# Altium PCB radxa_cm3s_io_board_V1510.PcbDoc (part 1 of 4)
Units mil, origin at the board's own origin, x right, y up, seen from the top; angles counter-clockwise.
Board outline 6299.61 x 3544.09 mil, 4 copper layers (Top, GND, Power, Bottom), stack 35.4 mil thick; 371 components, 243 nets, 1310 pads, 2024 vias.
Unrouted connection lines stored in the file: 1349.
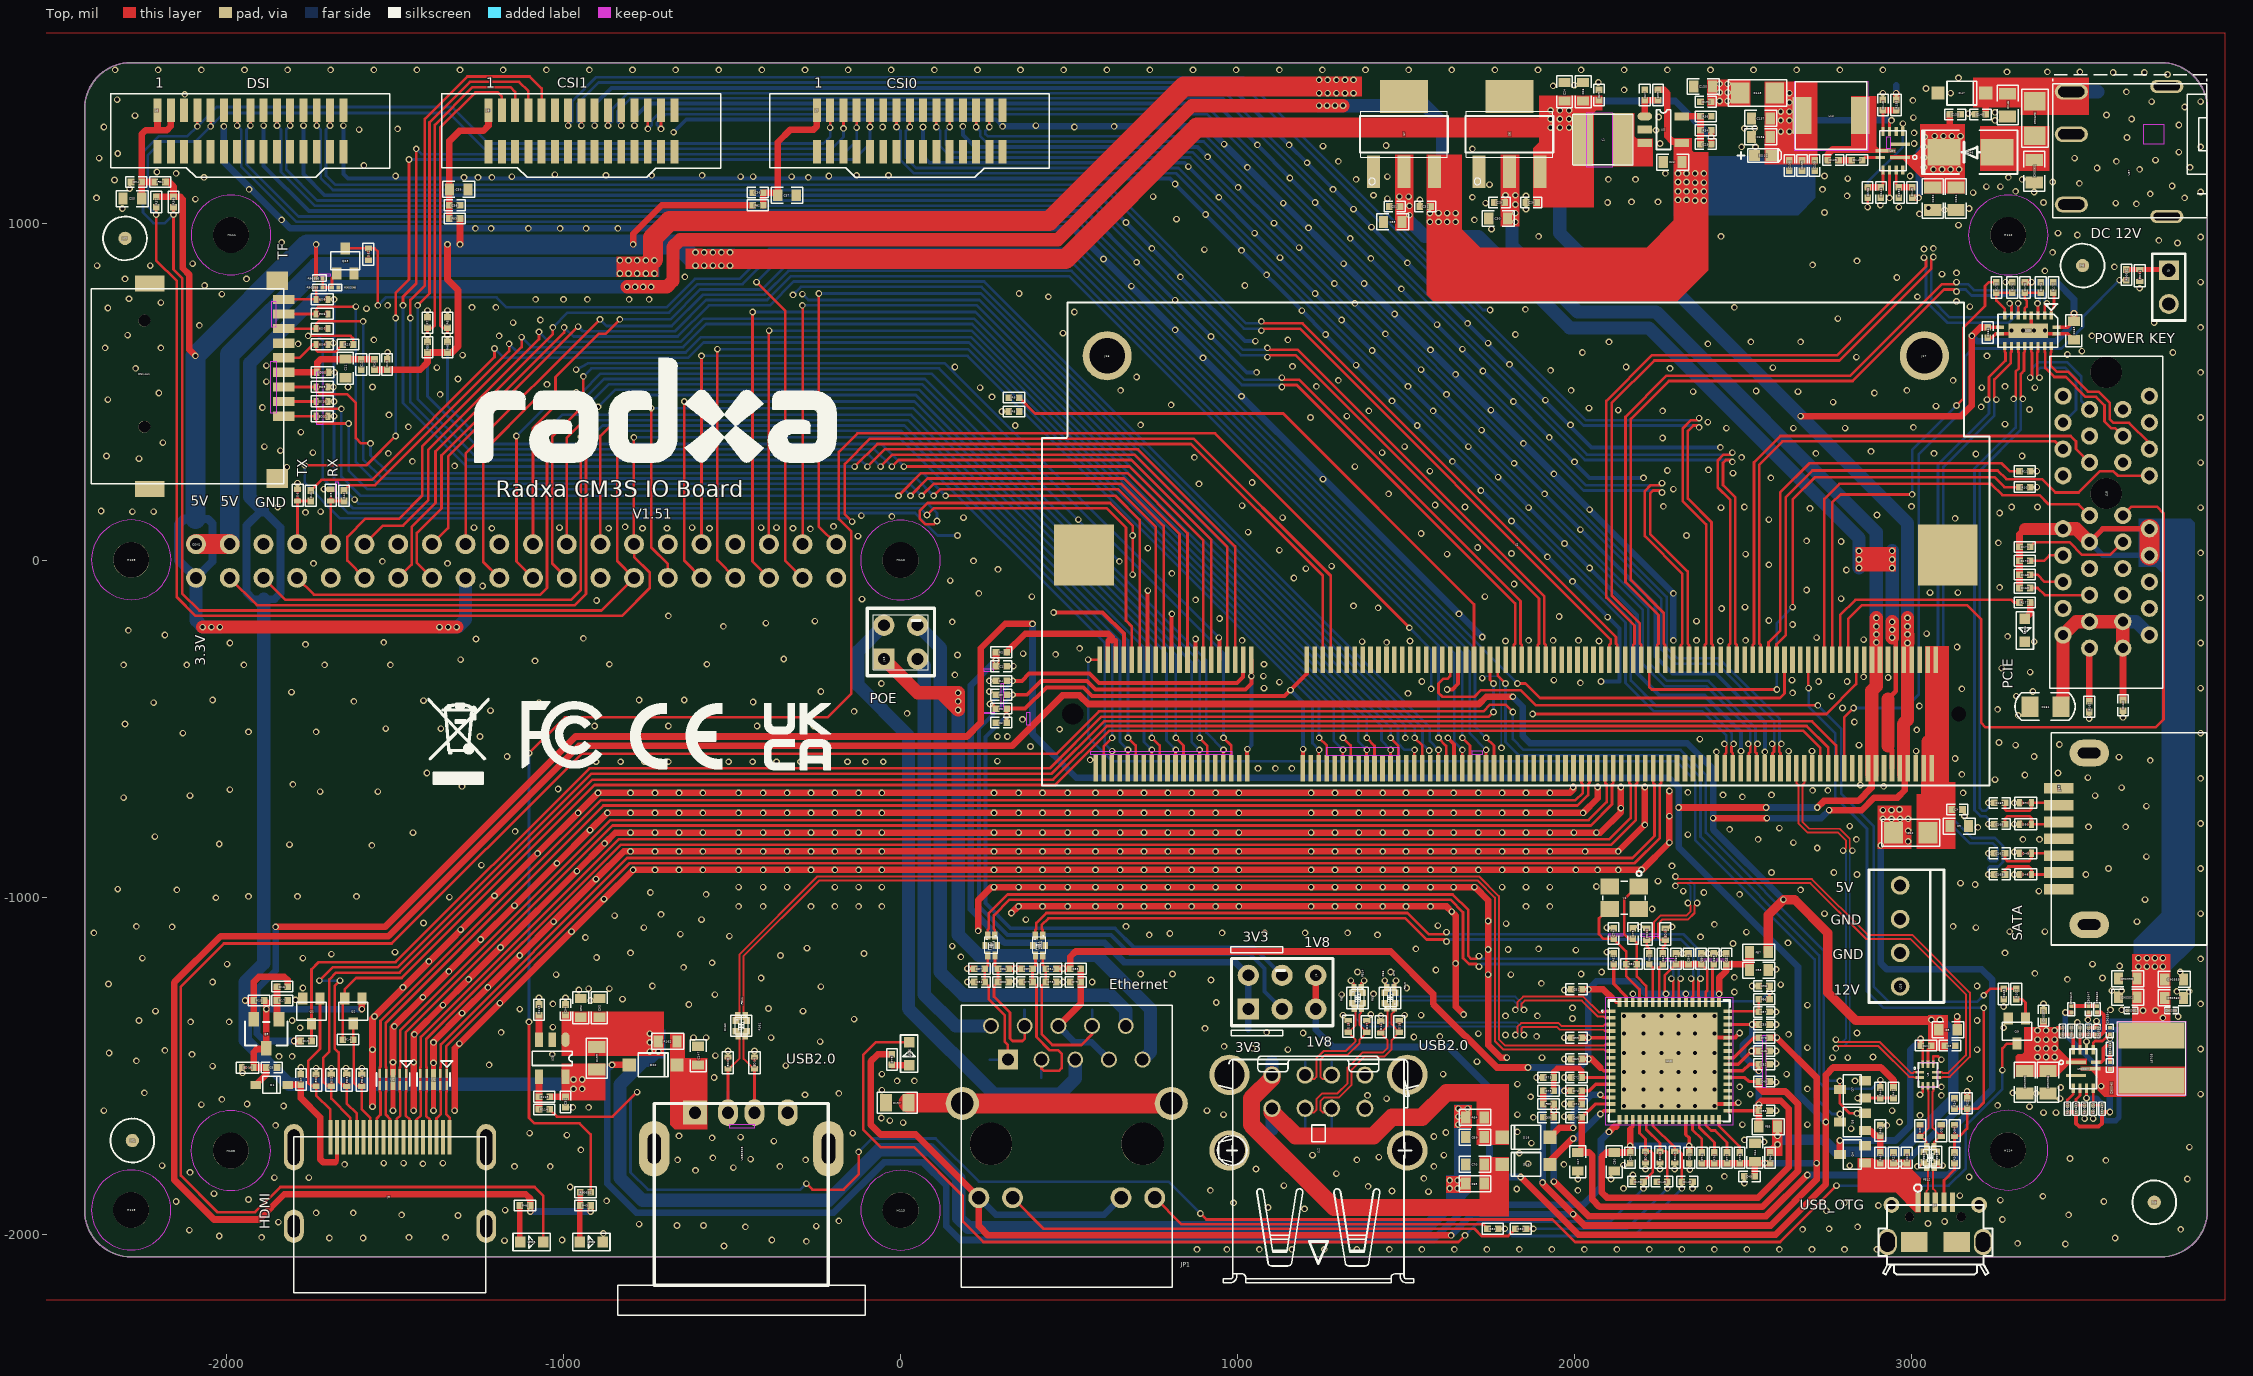
[diagram p0: Top view]
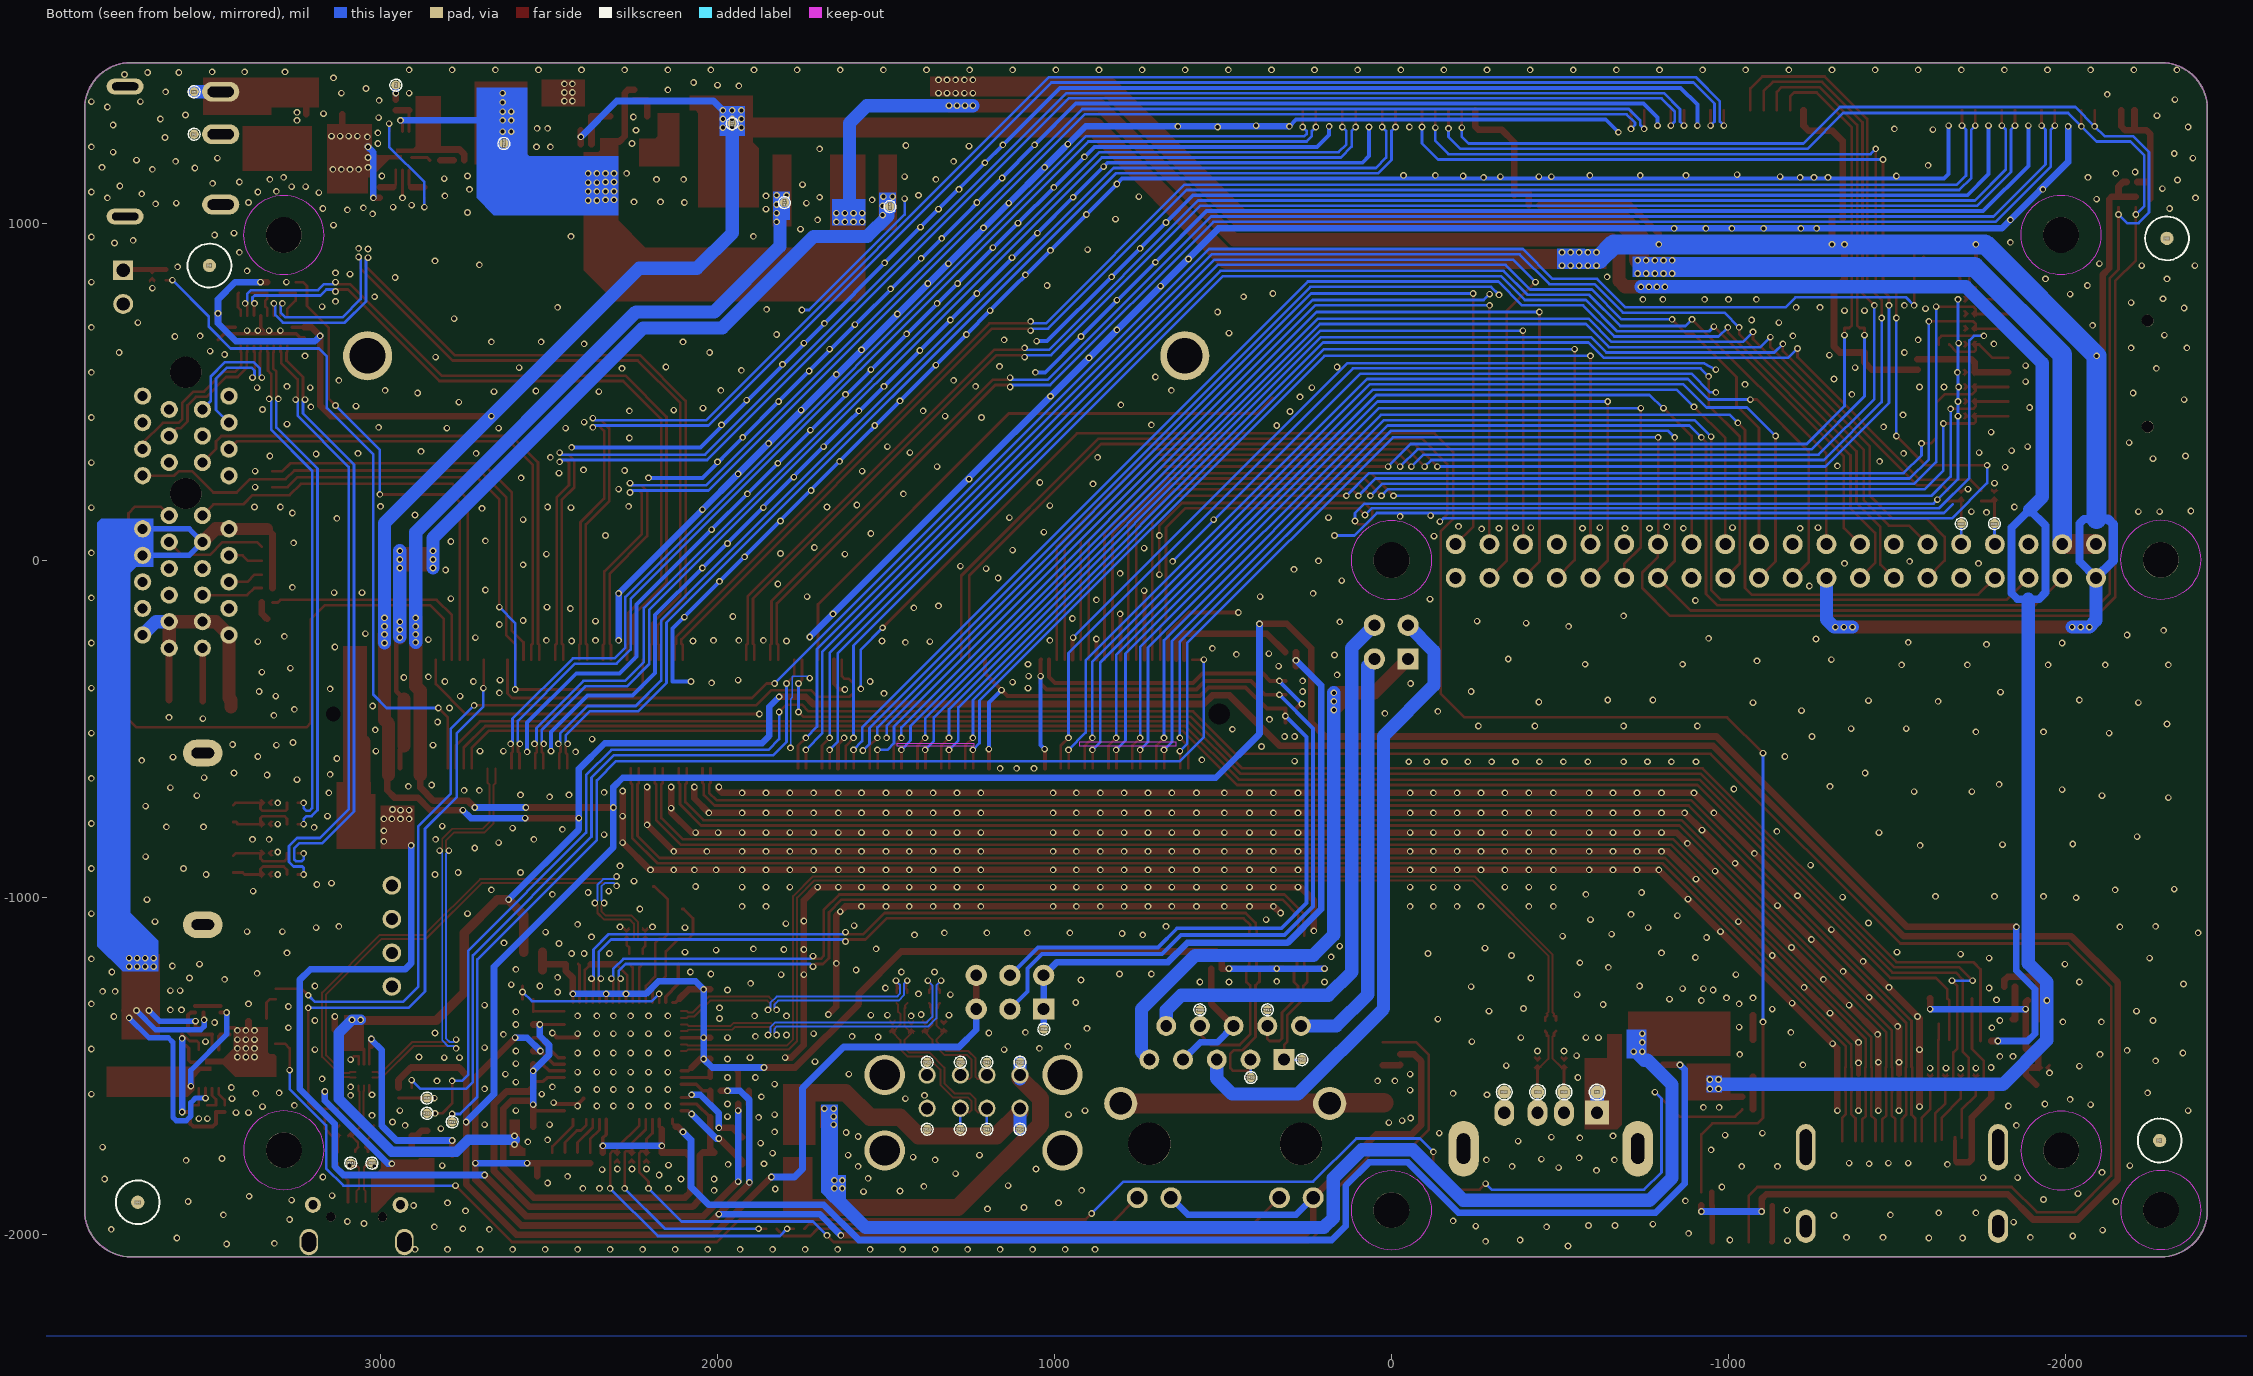
[diagram p1: Bottom view, seen from below]
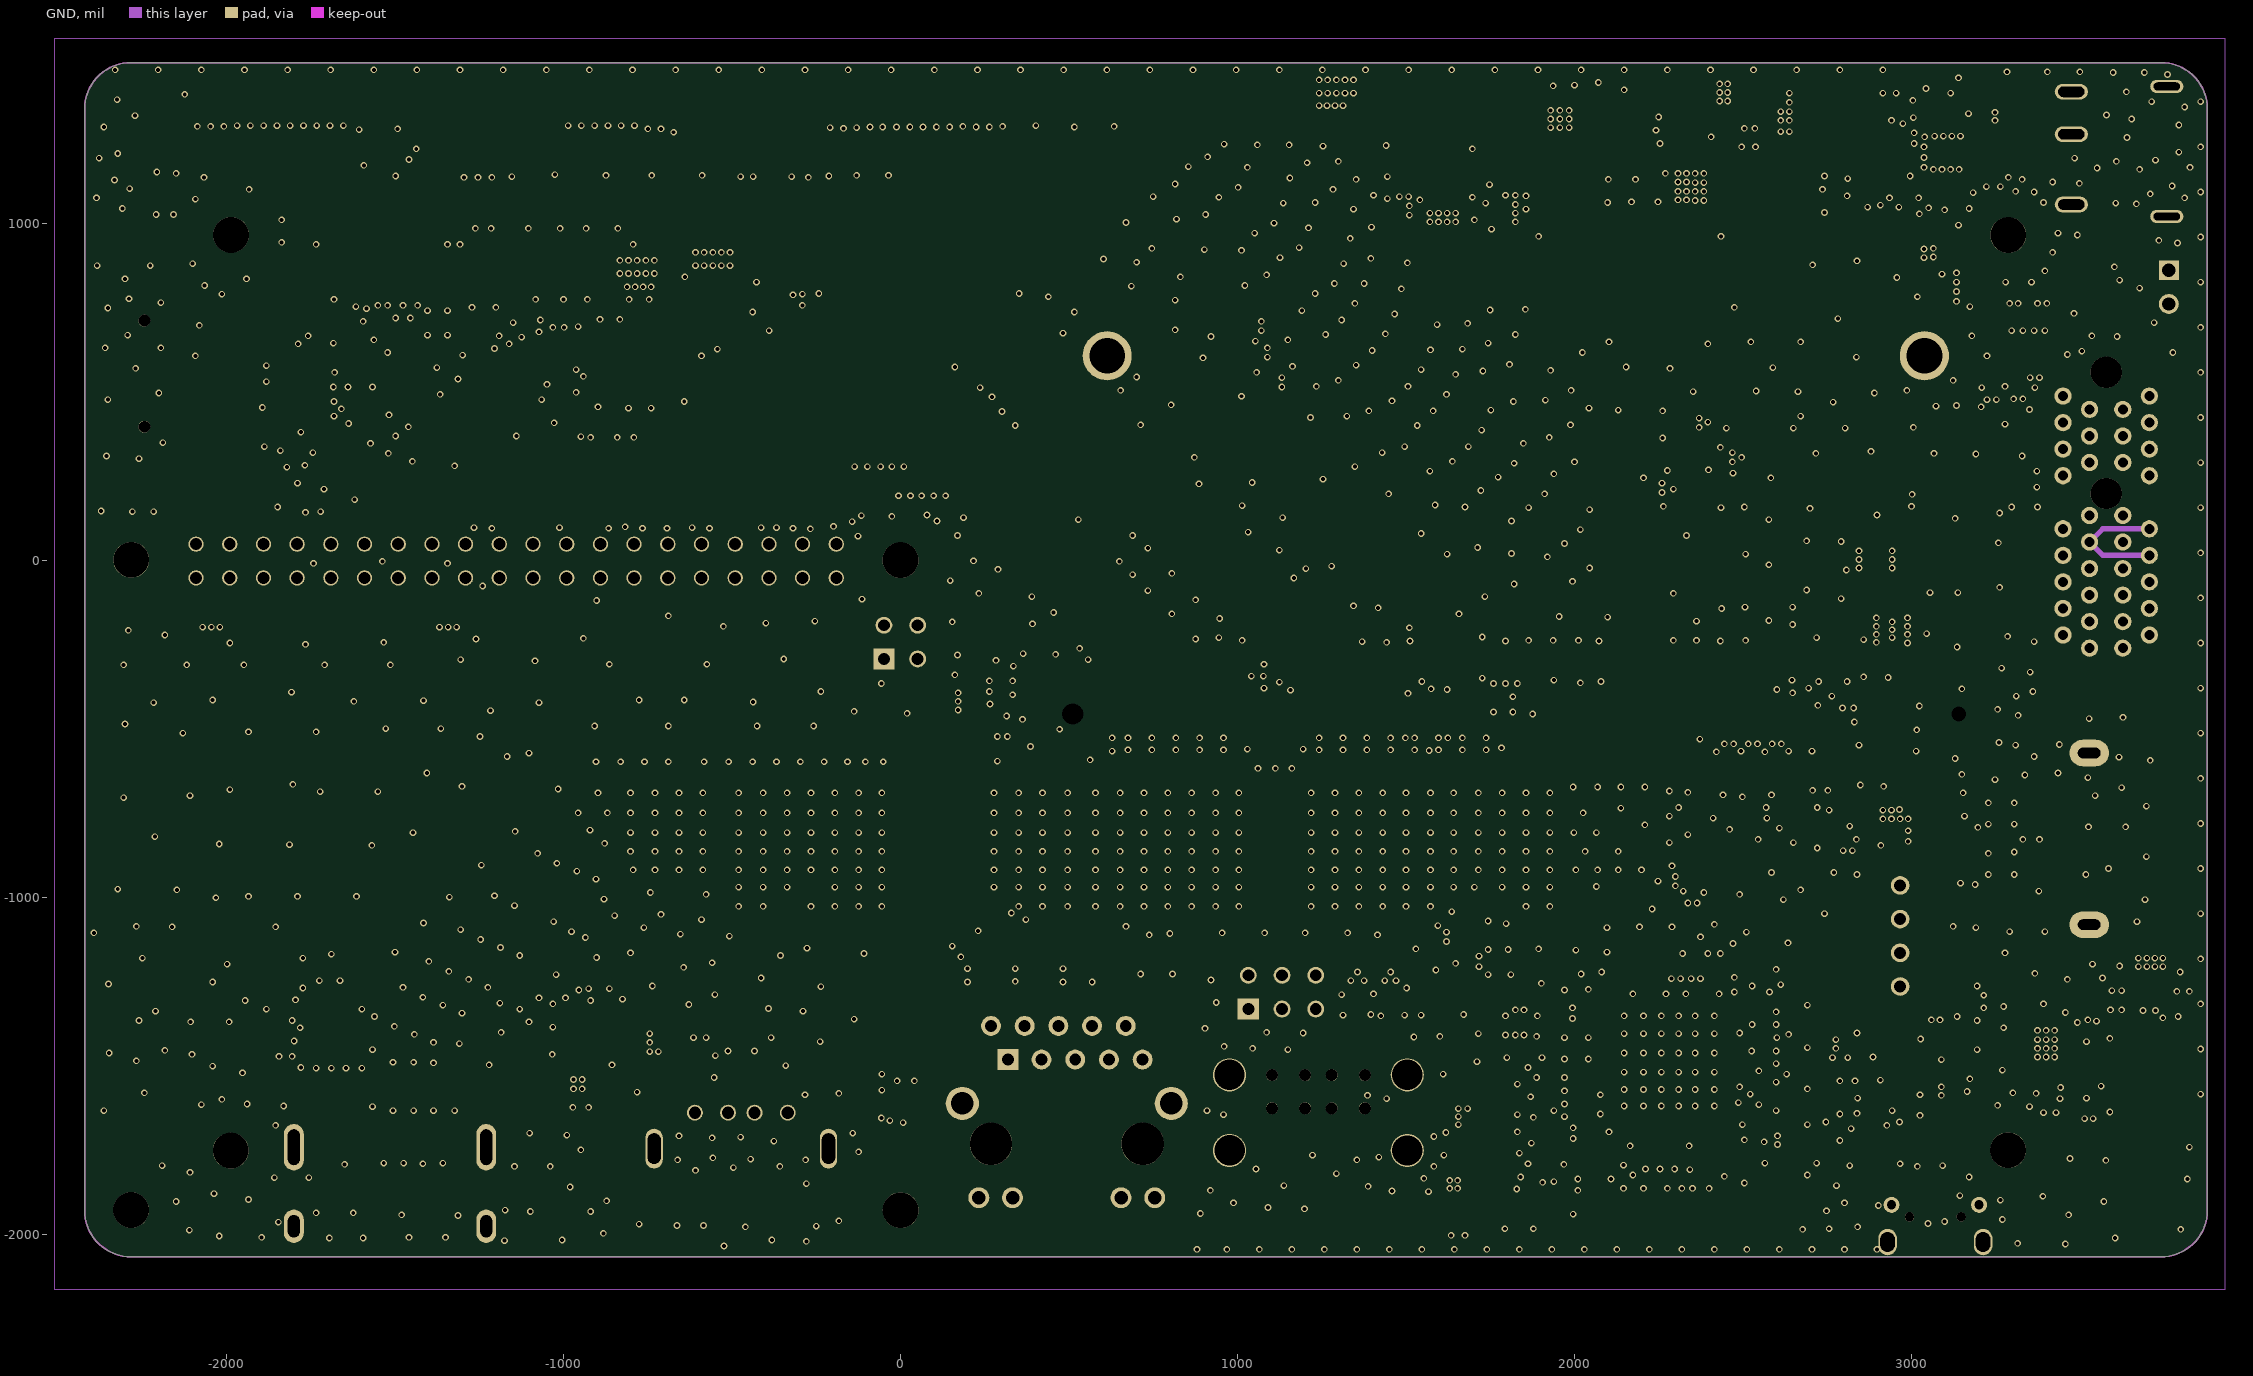
[diagram p2: GND]
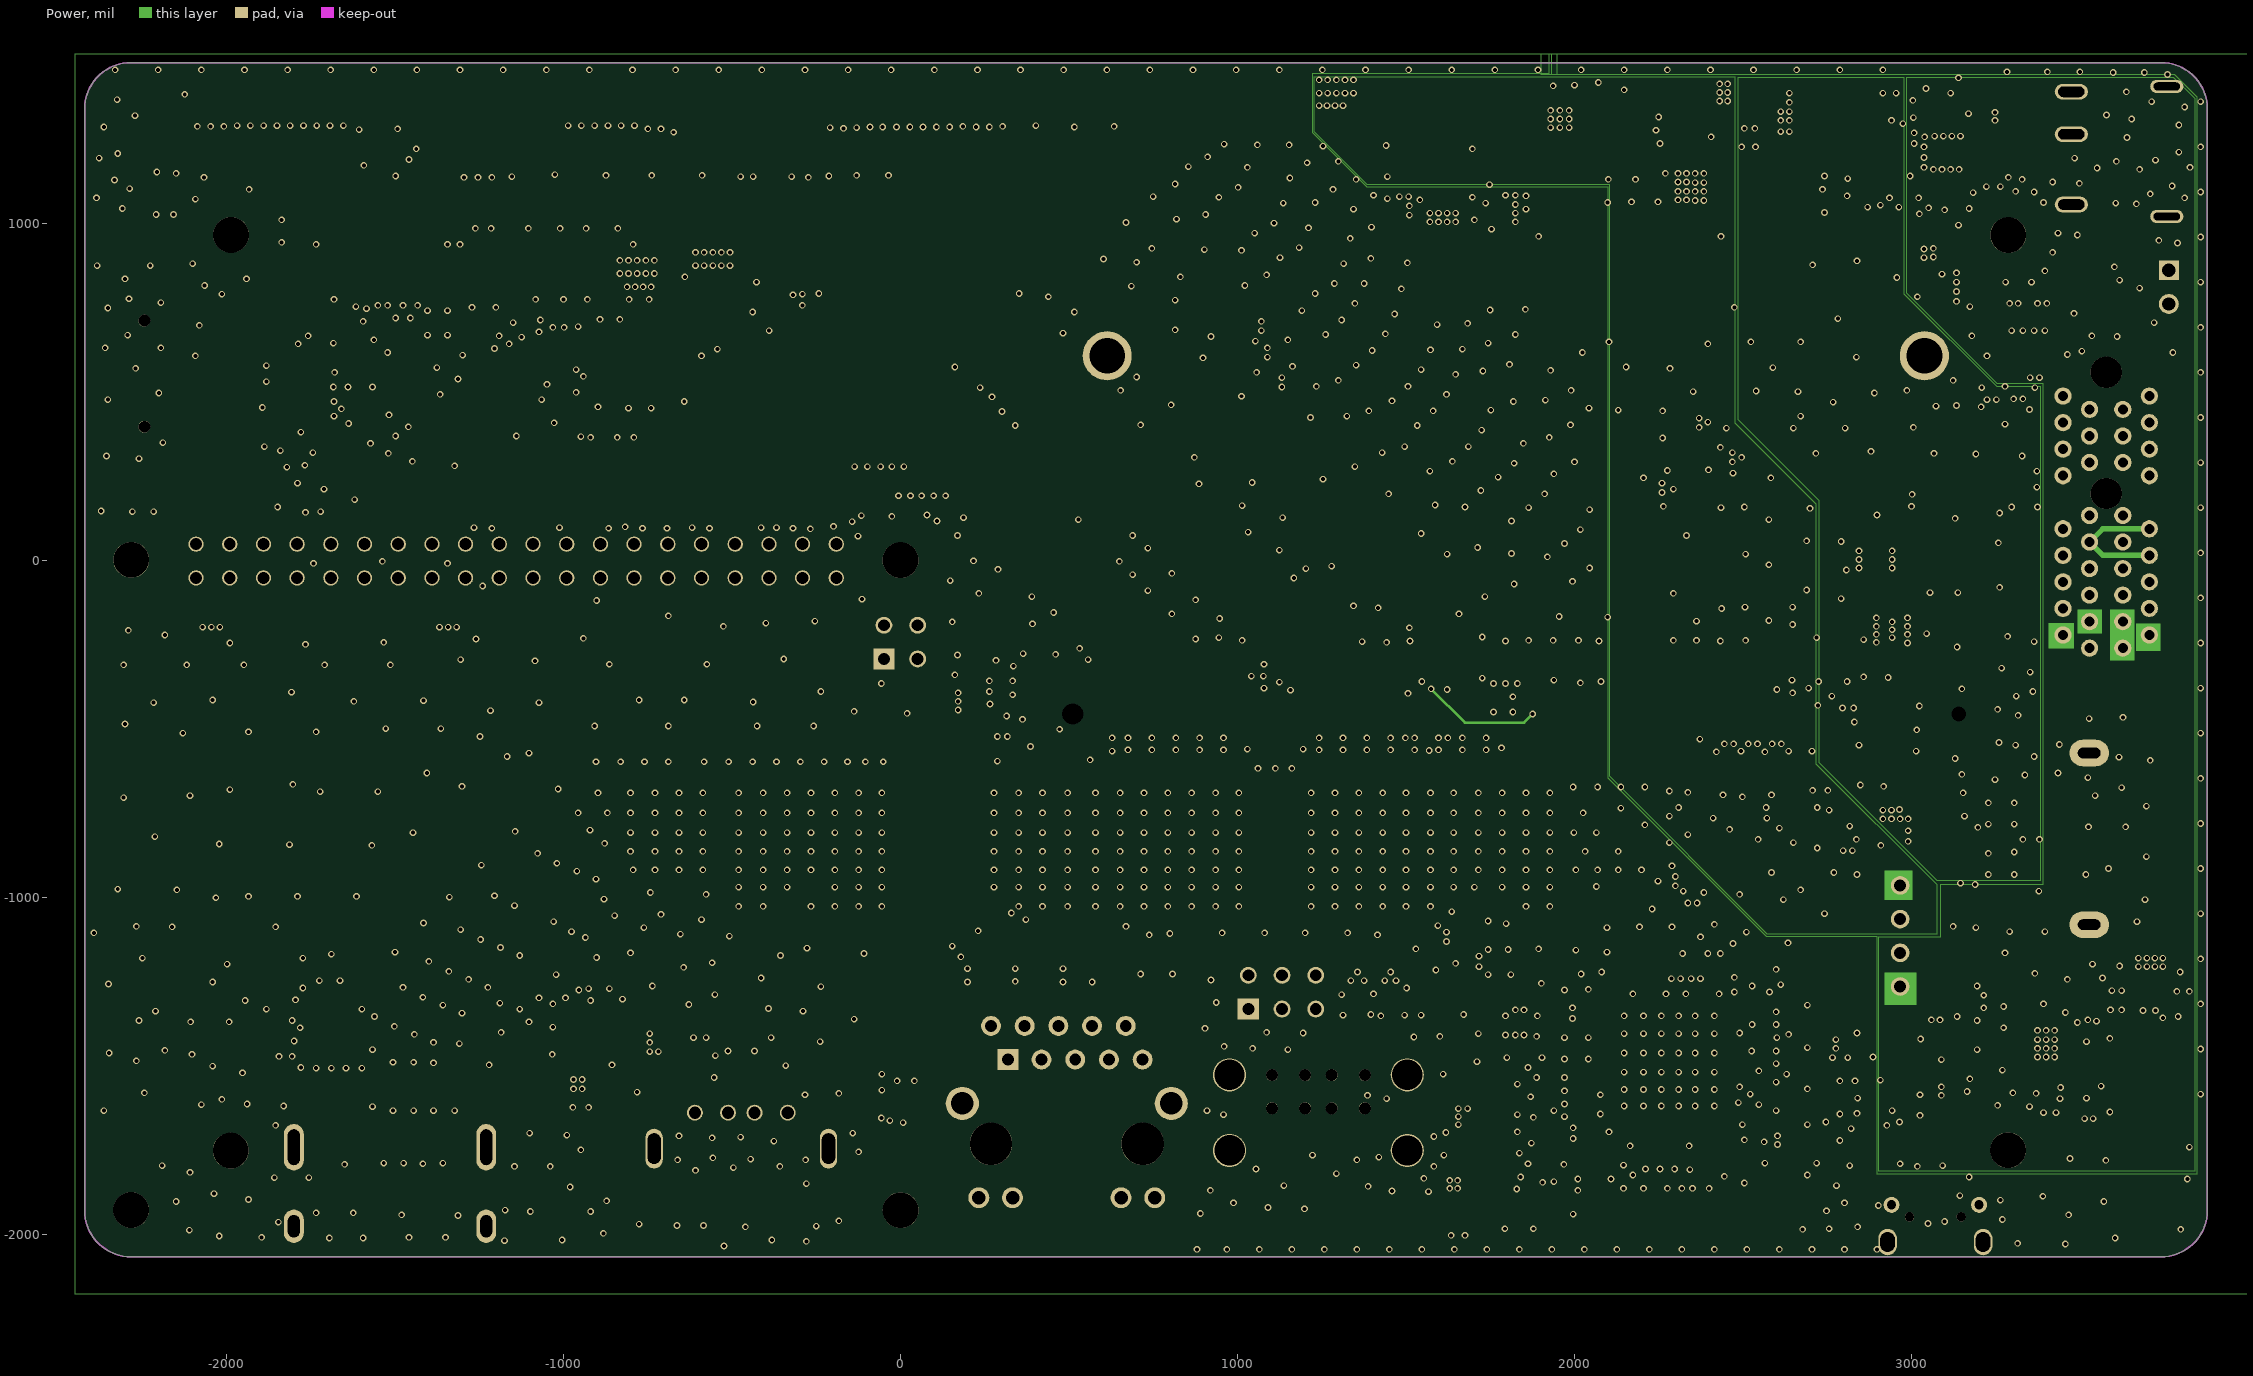
[diagram p3: Power]

## Layer stack, top to bottom
Solder Mask Top: solder mask 0.4, Solder Resist, Dk 3.5
Top: signal copper 1.35
Dielectric 1: dielectric 10, FR-4, Dk 4.3
GND: signal copper 1.35
Dielectric2: dielectric 10, FR-4, Dk 4.3
Power: signal copper 1.35
Dielectric3: dielectric 10, FR-4, Dk 4.3
Bottom: signal copper 1.35
Solder Mask Bottom: solder mask 0.4, Solder Resist, Dk 3.5

## Board outline
3740.54,-2067.69 ccw(c3740.54,-1929.9) 3878.33,-1929.9 3878.33,1338.61 ccw(c3740.54,1338.61) 3740.54,1476.4 -2283.48,1476.4 ccw(c-2283.48,1338.61) -2421.28,1338.61 -2421.28,-1929.9 ccw(c-2283.48,-1929.9) -2283.48,-2067.69

## Design rules (kind name [scope] priority, off if disabled: settings)
Clearance "Clearance - Default - DEFAULT- SMD" [IsVia vs IsSMTPin] p1: gap=0 ignorepadtopadclearanceinfootprint=FALSE
Clearance "Clearance - Default - DEFAULT - Via" [IsVia vs IsVia] p2: gap=0 ignorepadtopadclearanceinfootprint=FALSE
Clearance "Clearance - Default - DEFAULT - Net" [All] p3: gap=5.91 ignorepadtopadclearanceinfootprint=FALSE except(0: Arc-Hole Track-Hole SMDPad-Hole THPad-Hole Via-Hole Fill-Hole Poly-Hole Region-Hole Text-Hole; 10: Text-Text)
ComponentClearance "ComponentClearance - Default - DEFAULT" [All] p1: gap=0 collisioncheckmode=3 verticalgap=10 showdistances=FALSE
DiffPairsRouting "DiffPairsRouting - DiffPair - USB_OTG0_D" [InDifferentialPairClass('DiffPairClassFor_DP_GAP_59055_Width_59055')] p1: maxlimit=5.91 minlimit=5.91 mostfreqgap=5.91 toplayer_minwidth=5.91 toplayer_maxwidth=5.91 toplayer_prefwidth=5.91 midlayer1_minwidth=5.91 midlayer1_maxwidth=5.91 midlayer1_prefwidth=5.91 midlayer2_minwidth=5.91 midlayer2_maxwidth=5.91 midlayer2_prefwidth=5.91 bottomlayer_minwidth=5.91 bottomlayer_maxwidth=5.91 bottomlayer_prefwidth=5.91 maxuncoupledlength=500
DiffPairsRouting "DiffPairsRouting - DiffPair - Default" [All] p2: maxlimit=7.87 minlimit=7.87 mostfreqgap=7.87 toplayer_minwidth=7.87 toplayer_maxwidth=7.87 toplayer_prefwidth=7.87 midlayer1_minwidth=7.87 midlayer1_maxwidth=7.87 midlayer1_prefwidth=7.87 midlayer2_minwidth=7.87 midlayer2_maxwidth=7.87 midlayer2_prefwidth=7.87 bottomlayer_minwidth=7.87 bottomlayer_maxwidth=7.87 bottomlayer_prefwidth=7.87 maxuncoupledlength=500
FanoutControl Fanout_SOIC [IsSOIC] p1: bgadir=Out bgaviamode=Centered fanoutstyle=Auto fanoutdirection=Alternating viagrid=1 // Fanout_SOIC (Default Rule)
FanoutControl Fanout_Small [(CompPinCount < 5)] p3: bgadir=Out bgaviamode=Centered fanoutstyle=Auto fanoutdirection=OutThenIn viagrid=1 // Fanout_Small (Default Rule)
FanoutControl Fanout_BGA [IsBGA] p4: bgadir=Out bgaviamode=Centered fanoutstyle=Auto fanoutdirection=Alternating viagrid=1 // Fanout_BGA (Default Rule)
HoleToHoleClearance "HoleToHoleClearance - Default - DEFAULT" [All] p1: gap=0 allowstackedmicrovias=TRUE
Length "Default Length" [All] p1: maxlimit=50000 minlimit=0
MaxMinImpedance "Default Impedance" [All] p1: minimum=50.00 maximum=150.0
ParallelSegment "Default Parallel Segment Adjasent" [All] p1: limit=1000 gap=200
ParallelSegment "Default Parallel Segment Same Layer" [All] p2: limit=1000 gap=200
PlaneClearance "PlaneClearance - FootPrint 'CN-2D54-2X3'" [HasFootprint('CN-2D54-2X3')] p1: clearance=7.5 // PAD - Power Plane Clearance
PlaneClearance "PlaneClearance - FootPrint 'DIP4PIN-2_54MM-2X2'" [HasFootprint('DIP4PIN-2_54MM-2X2')] p2: clearance=7.5 // PAD - Power Plane Clearance
PlaneConnect "Default PlaneConnect" [All] p1: planeconnectstyle=Relief reliefexpansion=20 reliefentries=4 reliefconductorwidth=15 reliefairgap=10
PolygonConnect "PolygonConnect - Default SMT" [IsSMTPin] p1: connectstyle=Direct reliefconductorwidth=10 reliefentries=4 polygonreliefangle="45 Angle" airgapwidth=10
PolygonConnect "PolygonConnect - Default Pad" [All] p2: connectstyle=Relief reliefconductorwidth=15 reliefentries=4 polygonreliefangle="45 Angle" airgapwidth=10
RoutingLayers "RoutingLayers - Default - DEFAULT" [All] p1: top layer_v5=TRUE mid layer 1_v5=TRUE mid layer 2_v5=TRUE bottom layer_v5=TRUE
RoutingPriority "RoutingPriority - Default - DEFAULT" [All] p1: routingpriority=3
RoutingTopology "Default Routing Topology" [All] p1: topology=Shortest
RoutingVias "RoutingVias - Default - DEFAULT" [All] p1: holewidth=11.81 width=19.68 viastyle="Through Hole" minholewidth=11.81 minwidth=19.68 maxholewidth=11.81 maxwidth=19.68
SMDToCorner "SMDToCorner - Default - DEFAULT" [All] p1: distance=0
SolderMaskExpansion [All] p1: expansion=4 istentingtop=FALSE
Width "Default Width" [All] p1: maxlimit=196.85 minlimit=3.94 preferedwidth=7.87
19 further rules are at their usual default settings.

## Classes and differential pairs
differential pair class DiffPairClassFor_DP_GAP_59055_Width_59055: N1 N180490 N180491 N1813106 USB_HOST2_D USB_HOST3_D USB_HOST4_D USB_HSD1_D USB_HSD2_D USB_OTG0_D
differential pair MIPI_CSI_RX_D2: +MIPI_CSI_RX_D2P -MIPI_CSI_RX_D2N
differential pair MIPI_CSI_RX_D1: +MIPI_CSI_RX_D1N -MIPI_CSI_RX_D1P
differential pair MIPI_CSI_RX_CLK0: +MIPI_CSI_RX_CLK0P -MIPI_CSI_RX_CLK0N
differential pair MIPI_CSI_RX_CLK1: +MIPI_CSI_RX_CLK1N -MIPI_CSI_RX_CLK1P
differential pair MIPI_CSI_RX_D3: +MIPI_CSI_RX_D3N -MIPI_CSI_RX_D3P
differential pair USB_HSD1_D: +USB_HSD1_DM -USB_HSD1_DP
differential pair MIPI_CSI_RX_D0: +MIPI_CSI_RX_D0P -MIPI_CSI_RX_D0N
differential pair MIPI_DSI_TX0_CLK: +MIPI_DSI_TX0_CLKP/LVDS_TX0_CLKP -MIPI_DSI_TX0_CLKN/LVDS_TX0_CLKN
differential pair MIPI_DSI_TX0_D0: +MIPI_DSI_TX0_D0P/LVDS_TX0_D0P -MIPI_DSI_TX0_D0N/LVDS_TX0_D0N
differential pair PCIE20_RX_1: +PCIE20_RXP_1 -PCIE20_RXN_1
differential pair PCIE20_TX: +PCIE20_TXP -PCIE20_TXN
differential pair PCIE20_REFCLK: +PCIE20_REFCLKP -PCIE20_REFCLKN
differential pair PCIE20_RX: +PCIE20_RXP -PCIE20_RXN
differential pair SATA1_RX: +SATA1_RXN -SATA1_RXP
differential pair MIPI_DSI_TX0_D1: +MIPI_DSI_TX0_D1N/LVDS_TX0_D1N -MIPI_DSI_TX0_D1P/LVDS_TX0_D1P
differential pair PCIE20_TX_1: +PCIE20_TXN_1 -PCIE20_TXP_1
differential pair SATA1_TX: +SATA1_TXN -SATA1_TXP
differential pair RX: +RXN -RXP
differential pair USB_HOST4_D: +USB_HOST4_DP -USB_HOST4_DM
differential pair PHY_TX: +PHY_TXN -PHY_TXP
differential pair TX: +TXN -TXP
differential pair HDMI_TX2: +HDMI_TX2N_PORT -HDMI_TX2P_PORT
differential pair HDMI_TXCLK: +HDMI_TXCLKP_PORT -HDMI_TXCLKN_PORT
differential pair HDMI_TX0: +HDMI_TX0N_PORT -HDMI_TX0P_PORT
differential pair HDMI_TX1: +HDMI_TX1N_PORT -HDMI_TX1P_PORT
differential pair PHY_RX: +PHY_RXP -PHY_RXN
differential pair N180491: +N18049108 -N18049144
differential pair N1813106: +N18131066 -N18131064
differential pair N1: +N17985828 -N18133617
differential pair N180490: +N18049078 -N18049058
differential pair USB_HOST3_D: +USB_HOST3_DM -USB_HOST3_DP
differential pair USB_HOST2_D: +USB_HOST2_DM -USB_HOST2_DP
differential pair USB_HSD2_D: +USB_HSD2_DM -USB_HSD2_DP
differential pair USB_OTG0_D: +USB_OTG0_DM -USB_OTG0_DP

## Components (designator, comment, footprint, x,y, rotation, side; value= is the part's Value field where it differs from the comment)
C1 "C0402" C0402 299.21,-314.96 r0 top
C2 "C0402" C0402 299.21,-482.28 r0 top
C3 "C0402" C0402 299.21,-399.61 r180 top
C4 "C0402" C0402 3135.83,-740.16 r0 top
C5 "C0603" C0603 3141.73,-789.37 r0 top
C6 "C0402" C0402 -1866.14,-1505.91 r0 top
C7 "C0402" C0402 -1779.53,-1541.34 r90 top
C8 "C0603" C0603 3108.27,-1393.7 r0 top
C9 "C0402" C0402 3114.17,-1440.94 r0 top
C10 "C0402" C0402 2986.22,-1773.62 r90 top
C11 "C0603" C0603 -1647.64,568.9 r270 top
C12 "C0402" C0402 -1600.39,580.71 r270 top
C13 "C0402" C0402 -1523.62,580.71 r90 top
C22 "C0603" C0603 2291.34,1181.1 r180 top
C23 "C0402" C0402 2389.76,1234.25 r180 top
C24 "C0603" C0603 1970.47,1389.76 r90 top
C25 "C0402" C0402 2072.83,1379.92 r90 top
C26 "C0603" C0603 2025.59,1389.76 r90 top
C27 "C0402" C0402 2208.66,1379.92 r90 top
C28 "C0402" C0402 1872.05,1061.02 r180 top
C29 "C0402" C0402 1777.56,1061.02 r180 top
C30 "C0603" C0603 1773.62,1013.78 r180 top
C31 "C0402" C0402 1557.09,1049.21 r180 top
C32 "C0402" C0402 1466.54,1049.21 r180 top
C33 "C0603" C0603 1460.63,1003.94 r180 top
C34 "C0402" C0402 -2267.72,1122.05 r180 top
C35 "C0603" C0603 -2279.53,1072.83 r180 top
C36 "C0402" C0402 -423.23,1090.55 r180 top
C37 "C0603" C0603 -336.61,1082.68 r0 top
C38 "C0402" C0402 -1322.83,1053.15 r0 top
C39 "C0603" C0603 -1311.02,1100.39 r0 top
C44 "C0603" C0603 2535.43,-1757.87 r90 top
C45 "C0402" C0402 2519.69,-1828.74 r180 top
C46 "C0402" C0402 2562.99,-1456.69 r0 top
C47 "C0603" C0603 2009.84,-1785.43 r270 top
C48 "C0402" C0402 2005.91,-1653.54 r180 top
C49 "C0402" C0402 2562.99,-1547.24 r0 top
C50 "C0603" C0603 2118.11,-1785.43 r270 top
C51 "C0402" C0402 2340.55,-1773.62 r270 top
C52 "C0402" C0402 2562.99,-1496.06 r0 top
C53 "C0402" C0402 2562.99,-1377.95 r0 top
C54 "C0402" C0402 2165.35,-1773.62 r270 top
C55 "C0402" C0402 2562.99,-1633.86 r0 top
C56 "C0402" C0402 2562.99,-1263.78 r180 top
C57 "C0402" C0402 2562.99,-1340.55 r0 top
C58 "C0603" C0603 2547.24,-1216.54 r0 top
C59 "C0402" C0402 2005.91,-1417.32 r180 top
C60 "C0402" C0402 2375.98,-1183.07 r90 top
C61 "C0402" C0402 2005.91,-1273.62 r180 top
C62 "C0402" C0402 2450.79,-1183.07 r90 top
C63 "C0402" C0402 2005.91,-1480.31 r180 top
C64 "C0402" C0402 2338.58,-1183.07 r90 top
C65 "C0402" C0402 2301.18,-1183.07 r90 top
C68 "C0402" C0402 1923.23,-1653.54 r180 top
C69 "C0603" C0603 1704.72,-1712.6 r180 top
C70 "C0603" C0603 1704.72,-1793.31 r180 top
C71 "C0402" C0402 2005.91,-1614.17 r180 top
C72 "C0402" C0402 2005.91,-1535.43 r180 top
C73 "C0402" C0402 2173.23,-1108.27 r90 top
C74 "C0402" C0402 2116.14,-1108.27 r90 top
C75 "C0402" C0402 519.69,-1251.97 r180 top
C78 "C0402" C0402 446.85,-1251.97 r0 top
C79 "C0402" C0402 375.98,-1251.97 r180 top
C80 "C0402" C0402 305.12,-1251.97 r0 top
C81 "C0402" C0402 234.25,-1251.97 r180 top
C91 "C0402" C0402 -994.09,-1608.27 r270 top
C92 "C0603" C0603 -948.82,-1328.74 r90 top
C93 "C0603" C0603 -893.7,-1328.74 r90 top
C94 "C0402" C0402 -994.09,-1334.65 r90 top
C129 "C0402" C0402 2767.72,1187.01 r180 top
C130 "C0603" C0603 2381.89,1405.51 r180 top
C131 "C0402" C0402 2389.76,1360.24 r180 top
C132 "C0805" C0805 3062.99,1072.83 r270 top
C133 "C0402" C0402 3129.92,1322.83 r0 top
C134 "C0805" C0805 3131.89,1072.83 r270 top
C135 "C0402" C0402 2675.2,1171.26 r270 top
C136 "C0603" C0603 2553.15,1255.91 r180 top
C137 "C0603" C0603 2553.15,1311.02 r180 top
C138 "C0402" C0402 2637.8,1171.26 r270 top
C139 "C0402" C0402 2712.6,1171.26 r270 top
C143 "C0402" C0402 2915.35,1350.39 r90 top
C144 "C0402" C0402 2909.45,1090.55 r270 top
C145 "C0402" C0402 3204.72,1322.83 r180 top
C146 "C0805" C0805 3285.43,1350.39 r270 top
C147 "C0603" C0603 -600.39,-1470.47 r270 top
C148 "C0402" C0402 2334.65,-1844.49 r0 top
C149 "C0402" C0402 2259.84,-1844.49 r180 top
C150 "C0402" C0402 2188.98,-1844.49 r180 top
C161 "C1206" C1206 3397.64,-435.04 r180 top
C162 "C0402" C0402 3627.95,-431.1 r270 top
C163 "C0603" C0603 3482.28,681.1 r270 top